# Altium PCB DriversBoard_Bigger.PcbDoc (continued)
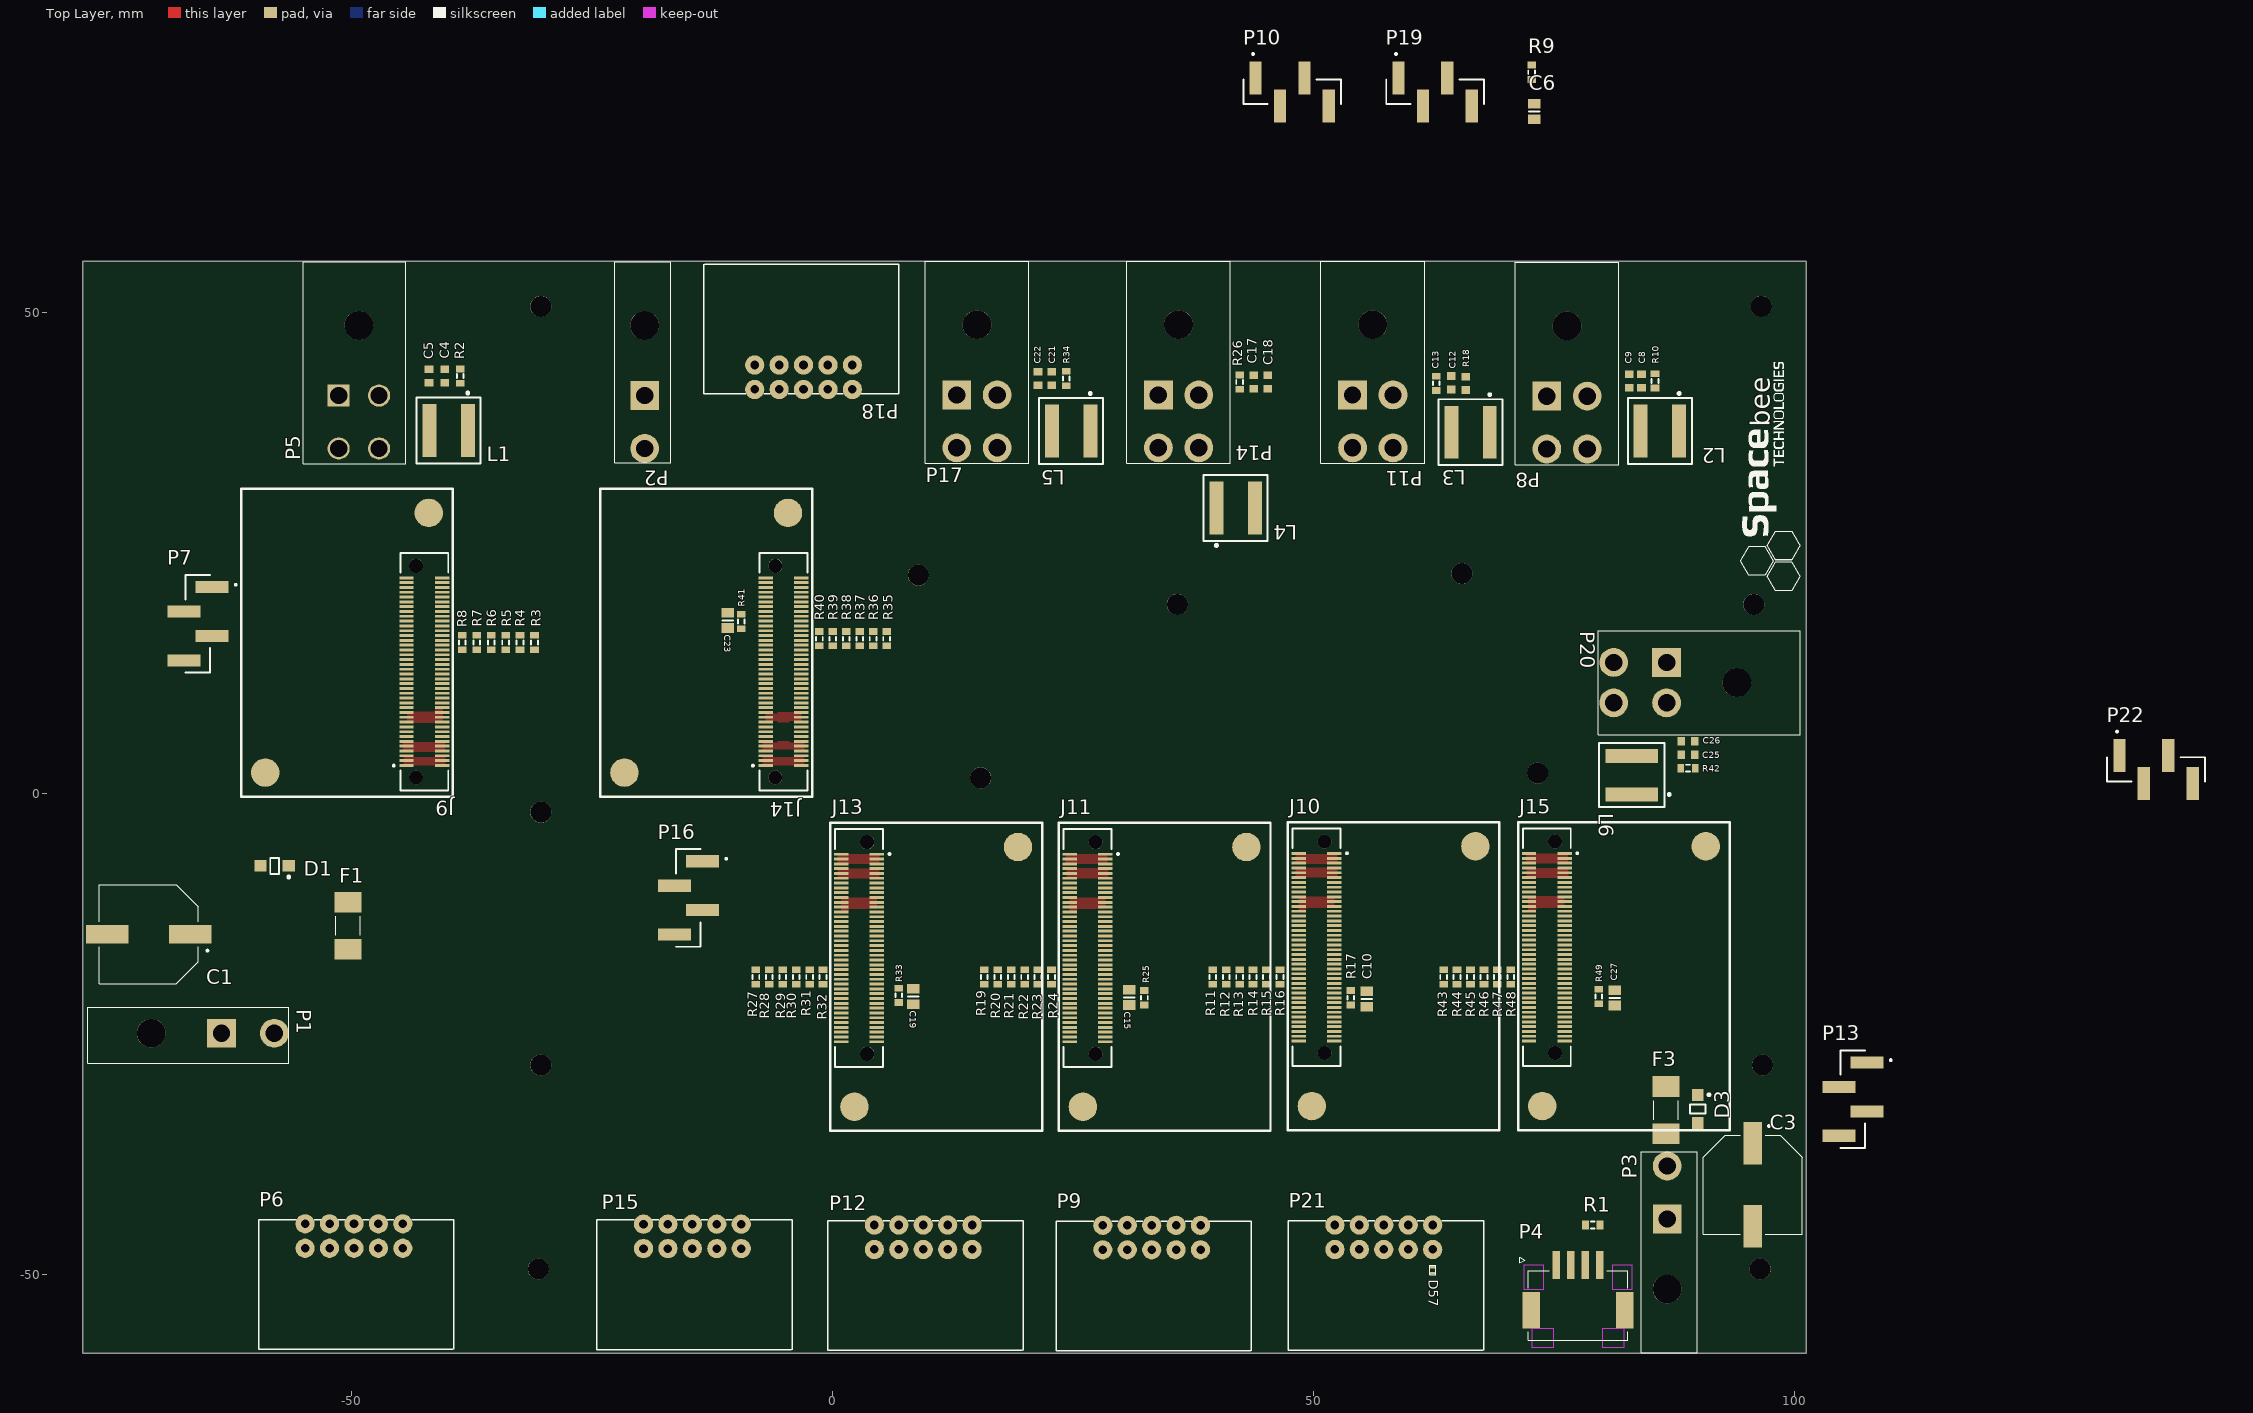
[diagram p0: Top Layer view]
## Footprints (in the part's own frame and the unit in brackets; to place one, negate y for a bottom-side part, rotate by r counter-clockwise, add the part's x,y. Pads: shape width x height; smd on the part's side, far side on the other; paste and mask are expansions set on the pad)
6-0805_L [mm] "Chip Resistor, Body 2.0x1.2mm, IPC High Density"
  rect 1x1.3 smd: 1(-0.8,0) 2(0.8,0)
  silkscreen extent 0,-0.55 0,0.55, body extent -1.07,-0.7 1.07,0.7, height 0.7
1608[0603] [mm] "Chip Capacitor, Body 1.6x0.8mm, IPC High Density"
  rect 0.8x0.9 smd: 1(-0.7,0) 2(0.7,0)
  body extent -0.87,-0.48 0.87,0.48, height 1.3
CAP_50SVT68M [mm]
  rect 4.4x1.9 smd: 1(-4.318,0) 2(4.318,0)
  silkscreen extent -6.2,-5.15 5.15,5.15, body extent -5.37,-5.02 5.63,5.28, height 12.57
CONN_HIF3FC-14PA-2.54DS(71)_HIR [mm]
  round 2 hole 0.889 mask+0: 1(0,0) 2(0,-2.54) 3(-2.54,0) 4(-2.54,-2.54) 5(-5.08,0) 6(-5.08,-2.54) 7(-7.62,0) 8(-7.62,-2.54) 9(-10.16,0) 10(-10.16,-2.54)
  silkscreen extent -15,-13.04 5.3,0.45, body extent -15.2,-12.7 5,0.27, height 8.75
FUSC6125X279N [mm]
  rect 2.15x2.8 smd: 1(-2.455,0) 2(2.455,0)
  silkscreen extent -1,-1.27 1,1.27, body extent -3.05,-1.27 3.05,1.27, height 2.79
"Header 4 SMD" [mm]
  rect 1.27x3.43 smd: 1(3.81,-1.46) 2(1.27,1.46) 3(-1.27,-1.46) 4(-3.81,1.46)
  silkscreen extent -5.08,-4.04 5.08,1.27, body extent -5.08,-2.64 5.08,2.64, height 9.68
J1-0603 [mm] "Chip Resistor, Body 1.6x0.8mm, IPC High Density"
  rect 0.7x0.9 smd: 1(-0.75,0) 2(0.75,0)
  silkscreen extent -0.2,-0.35 0.2,0.35, body extent -0.85,-0.48 0.85,0.48, height 0.9
MOLEX_1724480002 [mm]
  rect 3x3 hole 1.8 mask+0.076: 1(0,0)
  round 3 hole 1.8 mask+0.076: 2(0,5.5)
  round 3 hole 3 unplated mask+0.076: ""(0,-7.3)
  silkscreen extent -2.7,-13.9 3.1,6.98, body extent -2.75,-13.9 3.05,6.03, height 11.4
MOLEX_1724480004#1 [mm]
  rect 2.3x2.3 hole 1.8 mask+0.076: 1(0,0)
  round 2.3 hole 1.8 mask+0.076: 2(-4.2,0) 3(0,5.5) 4(-4.2,5.5)
  round 3 hole 3 unplated: ""(-2.1,-7.3)
  silkscreen extent -6.99,-13.9 3.68,7.11, body extent -7.62,-13.9 3.69,6.04, height 11.58
MOLEX_1724480004#2 [mm]
  rect 3x3 hole 1.8 mask+0.076: 1(0,0)
  round 3 hole 1.8 mask+0.076: 2(-4.2,0) 3(0,5.5) 4(-4.2,5.5)
  round 3 hole 3 unplated: ""(-2.1,-7.3)
  silkscreen extent -7.49,-13.9 3.3,7.11, body extent -7.49,-13.9 3.31,6.03, height 11.4
MOLEX_5025850470 [mm]
  rect 0.8x2.9 smd mask+0.076: 1(-2.25,3.6) 2(-0.75,3.6) 3(0.75,3.6) 4(2.25,3.6)
  rect 1.8x3.8 smd mask+0.076: S1(-4.85,-1.1) S1(4.85,-1.1)
  Keep-Out Layer region: 4.75,-5 2.55,-5 2.55,-3 4.75,-3
  Keep-Out Layer region: 5.6,1 3.6,1 3.6,3.6 5.6,3.6
  Keep-Out Layer region: -2.55,-5 -4.75,-5 -4.75,-3 -2.55,-3
  Keep-Out Layer region: -3.6,1 -5.6,1 -5.6,3.6 -3.6,3.6
  silkscreen extent -6.05,-4.25 5.15,4.4, body extent -5.15,-3.94 5.15,4.56, height 6.38
ONSC-SOD-123FL-2-498_V [mm] "SOD, 2-Leads, Body 2.7x1.65mm"
  rect 1.25x1.22 smd: 1(-1.475,0) 2(1.475,0)
  silkscreen extent -1.6,-0.82 0.45,1.28, body extent -1.35,-0.82 1.35,0.82, height 0.98
SAMTEC_LSHM-140-02.5-L-DV-A-N-K-TR [mm]
  rect 0.3x1.5 smd: 01(26.25,-2.323) 02(26.25,1.377) 03(25.75,-2.323) 04(25.75,1.377) 05(25.25,-2.323) 06(25.25,1.377) 07(24.75,-2.323) 08(24.75,1.377) 09(24.25,-2.323) 10(24.25,1.377) 11(23.75,-2.323) 12(23.75,1.377) 13(23.25,-2.323) 14(23.25,1.377) 15(22.75,-2.323) 16(22.75,1.377) 17(22.25,-2.323) 18(22.25,1.377) 19(21.75,-2.323) 20(21.75,1.377) 21(21.25,-2.323) 22(21.25,1.377) 23(20.75,-2.323) 24(20.75,1.377) 25(20.25,-2.323) 26(20.25,1.377) 27(19.75,-2.323) 28(19.75,1.377) 29(19.25,-2.323) 30(19.25,1.377) 31(18.75,-2.323) 32(18.75,1.377) 33(18.25,-2.323) 34(18.25,1.377) 35(17.75,-2.323) 36(17.75,1.377) 37(17.25,-2.323) 38(17.25,1.377) 39(16.75,-2.323) 40(16.75,1.377) 41(16.25,-2.323) 42(16.25,1.377) 43(15.75,-2.323) 44(15.75,1.377) 45(15.25,-2.323) 46(15.25,1.377) 47(14.75,-2.323) 48(14.75,1.377) 49(14.25,-2.323) 50(14.25,1.377) 51(13.75,-2.323) 52(13.75,1.377) 53(13.25,-2.323) 54(13.25,1.377) 55(12.75,-2.323) 56(12.75,1.377) 57(12.25,-2.323) 58(12.25,1.377) 59(11.75,-2.323) 60(11.75,1.377) 61(11.25,-2.323) 62(11.25,1.377) 63(10.75,-2.323) 64(10.75,1.377) 65(10.25,-2.323) 66(10.25,1.377) 67(9.75,-2.323) 68(9.75,1.377) 69(9.25,-2.323) 70(9.25,1.377) 71(8.75,-2.323) 72(8.75,1.377) 73(8.25,-2.323) 74(8.25,1.377) 75(7.75,-2.323) 76(7.75,1.377) 77(7.25,-2.323) 78(7.25,1.377) 79(6.75,-2.323) 80(6.75,1.377)
  round 2.96 smd: 2(0,0) 2(27,-17)
  round 1.45 hole 1.45 unplated: ""(5.5,-1.323) ""(27.5,-1.323)
  silkscreen extent -2.5,-19.5 29.5,2.5, body extent -2.5,-19.5 29.5,2.5, height 7.45
SOD993B#1 [mm]
  rect 0.51x0.26 smd paste+0 mask+0.01: 1(0,0.325) 2(0,-0.325)
  silkscreen extent -0.3,-0.51 0.3,0.5, body extent -0.3,-0.5 0.3,0.5, height 0.28
SOD993B#2 [mm] "TVS DUAL"
  rect 0.51x0.26 smd paste-2539.97 mask+0.01: 1(0,0.325) 2(0,-0.325)
  silkscreen extent -0.3,-0.51 0.3,0.5, body extent -0.3,-0.51 0.3,0.49, height 0.28
WE-XHMA_6060 [mm]
  rect 5.5x1.45 smd: 1(0,2) 2(0,-2)
  silkscreen extent -4.02,-3.32 3.42,3.32, body extent -3.32,-3.22 3.33,3.23, height 5.8

## Part data
C1 C3: library part 50SVT68M, Package=None, Availability=Unavailable, MP=50SVT68M, Price=None
C4 C5 C8 C9 C12 C13 C17 C18 C21 C22 C25 C26: "Capacitor (Semiconductor SIM Model)", LatestRevisionDate=29-May-2009, LatestRevisionNote="IPC-7351 Footprint Added.", PackageDescription="Chip Capacitor", PackageReference=C1206, Published=8-Jun-2000, Publisher="Altium Limited"
C6 C10 C15 C19 C23 C27: library part "Cap 0805", "Capacitor (Semiconductor SIM Model)", LatestRevisionDate=29-May-2009, LatestRevisionNote="IPC-7351 Footprint Added.", PackageDescription="Chip Capacitor", PackageReference=C1206, Published=8-Jun-2000, Publisher="Altium Limited"
D1 D3: library part SMF30AT1G, "200 W Transient Voltage Suppressor, 2-Pin SOD-123FL, Pb-Free, Tape and Reel", Manufacturer="On Semiconductor", Supplier Part Number 1=SMF30AT1GOSTR-ND, ComponentLink1Description="Manufacturer URL", ComponentLink1URL=http://www.onsemi.com/, ComponentLink2Description=Datasheet, ComponentLink2URL=http://www.onsemi.com/pub_link/Collateral/SMF5.0AT1-D.PDF, ComponentLink3Description="Package Specification", ComponentLink3URL=http://www.onsemi.com/pub_link/Collateral/498-01.PDF, DatasheetVersion="Rev. 7", Direction=Unidirectional, IR Max (uA)=1, Mounting Technology="Surface Mount", PackageDescription="2-Pin SOD, Body 1.65 x 2.7 mm", PackageReference=SOD-123FL-2-498, PackageVersion="Rev. D, 05/2013", Packing="Tape and Reel", PartNumber=SMF30AT1G, RoHS=Pb-Free, Supplier 1=Digi-Key, Supplier 2=Digi-Key, Supplier 3=Digi-Key, Supplier 4=Farnell, Supplier 5=Newark, Supplier 6=Newark, Supplier 7=Mouser, Supplier Part Number 2=SMF30AT1GOSCT-ND, Supplier Part Number 3=SMF30AT1GOSDKR-ND, Supplier Part Number 4=2317489, Supplier Part Number 5=09R9720, Supplier Part Number 6=42K2628, Supplier Part Number 7=863-SMF30AT1G, V(BR) Typ (V)=35.1
D5 D6 D7 D8 D9 D10 D11 D12 D14 D15 D16 D17 D18 D19 D20 D21 D23 D24 D25 D26 D27 D28 D29 D30 D32 D33 D34 D35 D36 D37 D38 D39 D41 D42 D43 D44 D45 D46 D47 D48 D50 D51 D52 D53 D54 D55 D56 D57: Manufacturer="On Semiconductor", PartNumber=1SMB16CAT3, Supplier Part Number 1=1SMB16CAT3OSTR-ND, ComponentLink1Description="Manufacturer URL", ComponentLink1URL=http://www.onsemi.com/, ComponentLink2Description=Datasheet, ComponentLink2URL=http://www.onsemi.com/pub_link/Collateral/1SMB10CAT3-D.PDF, ComponentLink3Description="Package Specification", ComponentLink3URL=http://www.onsemi.com/pub_link/Collateral/1SMB10CAT3-D.PDF, DatasheetVersion="Rev. A", Direction=Bidirectional, IR Max (uA)=5, Mounting Technology="Surface Mount", PackageDescription="2-Pin Small Molded Package, J-Bend Lead, Body 4.315 x 3.555 mm", PackageReference=SMB-2-403C-01, PackageVersion="Rev. A, 01/2000", Packing="Tape and Reel", PPK Max (W)=600, Supplier 1=Digi-Key, Supplier 2=Digi-Key, Supplier 3=Digi-Key, Supplier Part Number 2=1SMB16CAT3OSCT-ND, Supplier Part Number 3=1SMB16CAT3OSDKR-ND, V(BR) Typ (V)=18.74
F1 F3: "Surface mount bricks", Package="SMD-2 Bel Fuse Inc.", Availability="In Stock", Check_prices=https://www.snapeda.com/parts/0680L4000-05/Bel+Fuse/view-part/?ref=eda, MF="Bel Fuse", MP=0680L4000-05, Price=None, Purchase-URL=https://pricing.snapeda.com/search/part/0680L4000-05/?ref=eda, SnapEDA_Link=https://www.snapeda.com/parts/0680L4000-05/Bel+Fuse/view-part/?ref=snap
J9 J10 J11 J13 J14 J15: "LSHM - Samtec 0.50mm Razor Beam High-Speed Hermaphroditic Terminal / Socket Strip.", Package=None, Availability=Unavailable, MP=LSHM-140-02.5-L-DV-A-N-K-TR, Price=None
L1 L2 L3 L4 L5 L6: library part 78439369068, "WE-XHMA SMD Power Inductor, size 1090, 6.8µH, 10.5A, 7.16mO", Case/Size Code=1090, DC Resistance=7.16mO, Inductance Tolerance=20%, Manufacturer="Wurth Elektronik", Operating Temperature Max=125°C, Operating Temperature Min=-40°C, Rated Current=10.5A, Saturation Current=23.25A, Self Resonant Frequency=16MHz, Category="Shielded Power Inductors", ComponentLink1Description="Website Link", ComponentLink1URL=https://www.we-online.com/redexpert/article/78439369068?ad, ComponentLink2Description="Datasheet Link", ComponentLink2URL=https://www.we-online.com/redexpert/spec/78439369068?ad, Height=8.8mm, Inductance=6.8µH, Length=11.6mm, Manufacturer Part Number=78439369068, Match Code=WE-XHMA, Mount="Surface Mount", Packaging="Tape and Reel", Width=10.5mm
P1 P2 P3: library part "Header 2", "Header, 2-Pin", LatestRevisionDate=17-Jul-2002, LatestRevisionNote="Re-released for DXP Platform.", Publisher="Altium Limited"
P4: library part "Header 5", "Header, 5-Pin", LatestRevisionDate=17-Jul-2002, LatestRevisionNote="Re-released for DXP Platform.", Publisher="Altium Limited"
P5 P8 P11 P14 P17 P20: library part "Header 2X2", "Header, 2-Pin, Dual row", LatestRevisionDate=17-Jul-2002, LatestRevisionNote="Re-released for DXP Platform.", Publisher="Altium Limited"
P6 P9 P12 P15 P18 P21: "Header, 5-Pin, Dual row", LatestRevisionDate=17-Jul-2002, LatestRevisionNote="Re-released for DXP Platform.", Publisher="Altium Limited"
P7 P10 P13 P16 P19 P22: library part "Header 4 SMD", "Header, 4-Pin", LatestRevisionDate=17-Jul-2002, LatestRevisionNote="Re-released for DXP Platform.", Publisher="Altium Limited"
R1 R2 R3 R4 R5 R6 R7 R8 R9 R10 R11 R12 R13 R14 R15 R16 R17 R18 R19 R20 R21 R22 R23 R24 R25 R26 R27 R28 R29 R30 R31 R32 R33 R34 R35 R36 R37 R38 R39 R40 R41 R42 R43 R44 R45 R46 R47 R48 R49: "Resistor", LatestRevisionDate=29-May-2009, LatestRevisionNote="IPC-7351 Footprint Added.", PackageDescription="Chip Resistor", PackageReference=J1-0603, Published=8-Jun-2000, Publisher="Altium Limited"

## Free pads (board coordinates)
  round 2.2 hole 2.2 unplated: H1(-30.353,50.673) H2(-30.353,-1.905) H3(8.89,22.733) H3(15.367,1.651) H3(35.814,19.685) H3(65.405,22.9) H3(73.279,2.159) H4(-30.607,-49.403) H4(-30.353,-28.194) H5(96.52,50.673) H6(95.758,19.685) H7(96.393,-49.403) H7(96.647,-28.194)

## Nets (pads, with @x,y where several pads share a name; then routed paths per layer and width w, separated by ;. In a path a pad name is that pad's centre, name@x,y a point inside that pad or via, vN(x,y) a via of type N, cw(c..) or ccw(c..) an arc to the next point about the centre after c; other vN are vias at no path point)
+5V_1: J11.39 P12.1
+5V_2: J13.39 P15.1
+5V_3: J9.39 P6.1
+5V_4: J14.39 P18.1
+5V_5: J10.39 P9.1
+5V_6: J15.39 P21.1
C_USB_DM_1: J11.59 P13.3
C_USB_DM_2: J13.59 P16.3
C_USB_DM_3: J9.59 P7.3
C_USB_DM_4: J14.59 P19.3
C_USB_DM_5: J10.59 P10.3
C_USB_DM_6: J15.59 P22.3
C_USB_DP_1: J11.61 P13.2
C_USB_DP_2: J13.61 P16.2
C_USB_DP_3: J9.61 P7.2
C_USB_DP_4: J14.61 P19.2
C_USB_DP_5: J10.61 P10.2
C_USB_DP_6: J15.61 P22.2
C_USB_VBUS_1: J11.60 P13.4
C_USB_VBUS_2: J13.60 P16.4
C_USB_VBUS_3: J9.60 P7.4
C_USB_VBUS_4: J14.60 P19.4
C_USB_VBUS_5: J10.60 P10.4
C_USB_VBUS_6: J15.60 P22.4
Ch_A\_1: D27.2 P12.10 R20.2
Ch_A\_2: D36.2 P15.10 R28.2
Ch_A\_3: D9.2 P6.10 R4.2
Ch_A\_4: D45.2 P18.10 R36.2
Ch_A\_5: D18.2 P9.10 R12.2
Ch_A\_6: D54.2 P21.10 R44.2
Ch_A_1: D28.2 P12.8 R19.2
Ch_A_2: D37.2 P15.8 R27.2
Ch_A_3: D10.2 P6.8 R3.2
Ch_A_4: D46.2 P18.8 R35.2
Ch_A_5: D19.2 P9.8 R11.2
Ch_A_6: D55.2 P21.8 R43.2
Ch_B\_1: D25.2 P12.7 R22.2
Ch_B\_2: D34.2 P15.7 R30.2
Ch_B\_3: D7.2 P6.7 R6.2
Ch_B\_4: D43.2 P18.7 R38.2
Ch_B\_5: D16.2 P9.7 R14.2
Ch_B\_6: D52.2 P21.7 R46.2
Ch_B_1: D26.2 P12.9 R21.2
Ch_B_2: D35.2 P15.9 R29.2
Ch_B_3: D8.2 P6.9 R5.2
Ch_B_4: D44.2 P18.9 R37.2
Ch_B_5: D17.2 P9.9 R13.2
Ch_B_6: D53.2 P21.9 R45.2
Ch_I\_1: D23.2 P12.3 R24.2
Ch_I\_2: D32.2 P15.3 R32.2
Ch_I\_3: D5.2 P6.3 R8.2
Ch_I\_4: D41.2 P18.3 R40.2
Ch_I\_5: D14.2 P9.3 R16.2
Ch_I\_6: D50.2 P21.3 R48.2
Ch_I_1: D24.2 P12.5 R23.2
Ch_I_2: D33.2 P15.5 R31.2
Ch_I_3: D6.2 P6.5 R7.2
Ch_I_4: D42.2 P18.5 R39.2
Ch_I_5: D15.2 P9.5 R15.2
Ch_I_6: D51.2 P21.5 R47.2
CLOCK_1: C15.2 D30.2 J11.55 P12.2 R25.2
CLOCK_2: C19.2 D39.2 J13.55 P15.2 R33.2
CLOCK_3: C6.2 D12.2 J9.55 P6.2 R9.2
CLOCK_4: C23.2 D48.2 J14.55 P18.2 R41.2
CLOCK_5: C10.2 D21.2 J10.55 P9.2 R17.2
CLOCK_6: C27.2 D57.2 J15.55 P21.2 R49.2
D_N: J9.80 J10.80 J11.80 J13.80 J14.80 J15.80 P4.3 R1.1
D_P: J9.79 J10.79 J11.79 J13.79 J14.79 J15.79 P4.4 R1.2
DATA_1: D29.2 J11.53 P12.4
DATA_2: D38.2 J13.53 P15.4
DATA_3: D11.2 J9.53 P6.4
DATA_4: D47.2 J14.53 P18.4
DATA_5: D20.2 J10.53 P9.4
DATA_6: D56.2 J15.53 P21.4
GND: C1.2 C3.2 C5.2 C6.1 C9.2 C10.1 C13.2 C15.1 C18.2 C19.1 C22.2 C23.1 C26.2 C27.1 D1.2 D3.2 D5.1 D6.1 D7.1 D8.1 D9.1 D10.1 D11.1 D12.1 D14.1 D15.1 D16.1 D17.1 D18.1 D19.1 D20.1 D21.1 D23.1 D24.1 D25.1 D26.1 D27.1 D28.1 D29.1 D30.1 D32.1 D33.1 D34.1 D35.1 D36.1 D37.1 D38.1 D39.1 D41.1 D42.1 D43.1 D44.1 D45.1 D46.1 D47.1 D48.1 D50.1 D51.1 D52.1 D53.1 D54.1 D55.1 D56.1 D57.1 J9.25 J9.27 J9.28 J9.29 J9.30 J9.31 J9.32 J9.57 J9.58 J9.63 J9.64 J9.72 J9.75 J9.76 J10.25 J10.27 J10.28 J10.29 J10.30 J10.31 J10.32 J10.57 J10.58 J10.63 J10.64 J10.72 J10.75 J10.76 J11.25 J11.27 J11.28 J11.29 J11.30 J11.31 J11.32 J11.57 J11.58 J11.63 J11.64 J11.72 J11.75 J11.76 J13.25 J13.27 J13.28 J13.29 J13.30 J13.31 J13.32 J13.57 J13.58 J13.63 J13.64 J13.72 J13.75 J13.76 J14.25 J14.27 J14.28 J14.29 J14.30 J14.31 J14.32 J14.57 J14.58 J14.63 J14.64 J14.72 J14.75 J14.76 J15.25 J15.27 J15.28 J15.29 J15.30 J15.31 J15.32 J15.57 J15.58 J15.63 J15.64 J15.72 J15.75 J15.76 P1.1 P2.1 P3.1 P4.1 P4.2 P4.S1 P5.1 P5.2 P6.6 P7.1 P8.1 P8.2 P9.6 P10.1 P11.1 P11.2 P12.6 P13.1 P14.1 P14.2 P15.6 P16.1 P17.1 P17.2 P18.6 P19.1 P20.1 P20.2 P21.6 P22.1 R2.2 R9.1 R10.2 R17.1 R18.2 R25.1 R26.2 R33.1 R34.2 R41.1 R42.2 R49.1
"Motor_1 (-M)_1": J11.07 J11.08 J11.09 J11.10 J11.11 J11.12 P11.3
"Motor_1 (-M)_2": J13.07 J13.08 J13.09 J13.10 J13.11 J13.12 P14.3
"Motor_1 (-M)_3": J9.07 J9.08 J9.09 J9.10 J9.11 J9.12 P5.3
"Motor_1 (-M)_4": J14.07 J14.08 J14.09 J14.10 J14.11 J14.12 P17.3
"Motor_1 (-M)_5": J10.07 J10.08 J10.09 J10.10 J10.11 J10.12 P8.3
"Motor_1 (-M)_6": J15.07 J15.08 J15.09 J15.10 J15.11 J15.12 P20.3
"Motor_1 (M+)_1": J11.01 J11.02 J11.03 J11.04 J11.05 J11.06 L3.1
"Motor_1 (M+)_2": J13.01 J13.02 J13.03 J13.04 J13.05 J13.06 L4.1
"Motor_1 (M+)_3": J9.01 J9.02 J9.03 J9.04 J9.05 J9.06 L1.1
"Motor_1 (M+)_4": J14.01 J14.02 J14.03 J14.04 J14.05 J14.06 L5.1
"Motor_1 (M+)_5": J10.01 J10.02 J10.03 J10.04 J10.05 J10.06 L2.1
"Motor_1 (M+)_6": J15.01 J15.02 J15.03 J15.04 J15.05 J15.06 L6.1
NetC4_1: C4.1 C5.1 L1.2 P5.4
NetC4_2: C4.2 R2.1
NetC8_1: C8.1 C9.1 L2.2 P8.4
NetC8_2: C8.2 R10.1
NetC12_1: C12.1 C13.1 L3.2 P11.4
NetC12_2: C12.2 R18.1
NetC17_1: C17.1 C18.1 L4.2 P14.4
NetC17_2: C17.2 R26.1
NetC21_1: C21.1 C22.1 L5.2 P17.4
NetC21_2: C21.2 R34.1
NetC25_1: C25.1 C26.1 L6.2 P20.4
NetC25_2: C25.2 R42.1
NetF1_1: F1.1 P1.2
NetF3_1: F3.1 P3.2
NetJ1_1: 
NetJ1_2: 
NetJ2_1: 
NetJ2_2: 
NetJ3_1: 
NetJ3_2: 
NetJ4_1: 
NetJ4_2: 
NetJ5_1: 
NetJ5_2: 
NetJ6_1: 
NetJ6_2: 
NetJ9_34: J9.34 R3.1
NetJ9_36: J9.36 R4.1
NetJ9_38: J9.38 R5.1
NetJ9_40: J9.40 R6.1
NetJ9_42: J9.42 R7.1
NetJ9_44: J9.44 R8.1
NetJ10_34: J10.34 R11.1
NetJ10_36: J10.36 R12.1
NetJ10_38: J10.38 R13.1
NetJ10_40: J10.40 R14.1
NetJ10_42: J10.42 R15.1
NetJ10_44: J10.44 R16.1
NetJ11_34: J11.34 R19.1
NetJ11_36: J11.36 R20.1
NetJ11_38: J11.38 R21.1
NetJ11_40: J11.40 R22.1
NetJ11_42: J11.42 R23.1
NetJ11_44: J11.44 R24.1
NetJ13_34: J13.34 R27.1
NetJ13_36: J13.36 R28.1
NetJ13_38: J13.38 R29.1
NetJ13_40: J13.40 R30.1
NetJ13_42: J13.42 R31.1
NetJ13_44: J13.44 R32.1
NetJ14_34: J14.34 R35.1
NetJ14_36: J14.36 R36.1
NetJ14_38: J14.38 R37.1
NetJ14_40: J14.40 R38.1
NetJ14_42: J14.42 R39.1
NetJ14_44: J14.44 R40.1
NetJ15_34: J15.34 R43.1
NetJ15_36: J15.36 R44.1
NetJ15_38: J15.38 R45.1
NetJ15_40: J15.40 R46.1
NetJ15_42: J15.42 R47.1
NetJ15_44: J15.44 R48.1
Shunt_Out1: 
Shunt_Out2: 
Shunt_Out3: 
Shunt_Out4: 
Shunt_Out5: 
Shunt_Out6: 
Supply1: C1.1 D1.1 F1.2 J11.19 J11.20 J11.21 J11.22 J11.23 J11.24 J11.26 J13.19 J13.20 J13.21 J13.22 J13.23 J13.24 J13.26
Supply2: J9.19 J9.20 J9.21 J9.22 J9.23 J9.24 J9.26 J14.19 J14.20 J14.21 J14.22 J14.23 J14.24 J14.26 P2.2
Supply3: C3.1 D3.1 F3.2 J10.19 J10.20 J10.21 J10.22 J10.23 J10.24 J10.26 J15.19 J15.20 J15.21 J15.22 J15.23 J15.24 J15.26
VCC_+5V: 
pads on no net: J9. J9.2 J9.13 J9.14 J9.15 J9.16 J9.17 J9.18 J9.33 J9.35 J9.37 J9.41 J9.43 J9.45 J9.46 J9.47 J9.48 J9.49 J9.50 J9.51 J9.52 J9.54 J9.56 J9.62 J9.65 J9.66 J9.67 J9.68 J9.69 J9.70 J9.71 J9.73 J9.74 J9.77 J9.78 J10. J10.2 J10.13 J10.14 J10.15 J10.16 J10.17 J10.18 J10.33 J10.35 J10.37 J10.41 J10.43 J10.45 J10.46 J10.47 J10.48 J10.49 J10.50 J10.51 J10.52 J10.54 J10.56 J10.62 J10.65 J10.66 J10.67 J10.68 J10.69 J10.70 J10.71 J10.73 J10.74 J10.77 J10.78 J11. J11.2 J11.13 J11.14 J11.15 J11.16 J11.17 J11.18 J11.33 J11.35 J11.37 J11.41 J11.43 J11.45 J11.46 J11.47 J11.48 J11.49 J11.50 J11.51 J11.52 J11.54 J11.56 J11.62 J11.65 J11.66 J11.67 J11.68 J11.69 J11.70 J11.71 J11.73 J11.74 J11.77 J11.78 J13. J13.2 J13.13 J13.14 J13.15 J13.16 J13.17 J13.18 J13.33 J13.35 J13.37 J13.41 J13.43 J13.45 J13.46 J13.47 J13.48 J13.49 J13.50 J13.51 J13.52 J13.54 J13.56 J13.62 J13.65 J13.66 J13.67 J13.68 J13.69 J13.70 J13.71 J13.73 J13.74 J13.77 J13.78 J14. J14.2 J14.13 J14.14 J14.15 J14.16 J14.17 J14.18 J14.33 J14.35 J14.37 J14.41 J14.43 J14.45 J14.46 J14.47 J14.48 J14.49 J14.50 J14.51 J14.52 J14.54 J14.56 J14.62 J14.65 J14.66 J14.67 J14.68 J14.69 J14.70 J14.71 J14.73 J14.74 J14.77 J14.78 J15. J15.2 J15.13 J15.14 J15.15 J15.16 J15.17 J15.18 J15.33 J15.35 J15.37 J15.41 J15.43 J15.45 J15.46 J15.47 J15.48 J15.49 J15.50 J15.51 J15.52 J15.54 J15.56 J15.62 J15.65 J15.66 J15.67 J15.68 J15.69 J15.70 J15.71 J15.73 J15.74 J15.77 J15.78 P1. P2. P3. P5. P8. P11. P14. P17. P20.

## Polygon pours and split planes (outlines as drawn)
Supply2 on Top Layer "ss" (solid, pour order 38): -40.568,7.391 -40.568,8.891 -41.309,8.891 -41.347,8.929 -41.347,8.675 -43.984,8.675 -44.268,8.391 -44.268,7.391
"Motor_1 (-M)_3" on Top Layer "MOTOR_1_(-M)_3_L01_P034" (solid, pour order 34): -44.653,5.385 -40.335,5.385 -40.335,4.369 -44.653,4.369
"Motor_1 (M+)_3" on Top Layer "MOTOR_1_(M+)_3_L01_P028" (solid, pour order 28): -44.632,2.954 -40.314,2.954 -40.314,3.954 -44.632,3.954
Supply2 on Top Layer "SUPPLY2_L01_P022" (solid, pour order 22): -6.985,8.454 -3.285,8.454 -3.285,7.454 -6.985,7.454
"Motor_1 (-M)_4" on Top Layer "s" (solid, pour order 21): -7.294,4.454 -2.976,4.454 -2.976,5.454 -7.294,5.454
"Motor_1 (M+)_4" on Top Layer "MOTOR_1_(M+)_4_L01_P020" (solid, pour order 20): -7.294,2.954 -2.976,2.954 -2.976,3.954 -7.294,3.954
"Motor_1 (M+)_6" on Top Layer "" (solid, pour order 16): 72.064,-7.211 76.382,-7.211 76.382,-6.211 72.064,-6.211
"Motor_1 (-M)_6" on Top Layer "" (solid, pour order 15): 72.128,-8.722 76.446,-8.722 76.446,-7.722 72.128,-7.722
Supply3 on Top Layer "" (solid, pour order 14): 72.318,-10.676 72.318,-12.176 73.059,-12.176 73.097,-12.214 73.097,-11.96 75.734,-11.96 76.018,-11.676 76.018,-10.676
Supply3 on Top Layer "" (solid, pour order 12): 48.425,-10.711 48.425,-12.211 49.166,-12.211 49.204,-12.249 49.204,-11.995 51.841,-11.995 52.125,-11.711 52.125,-10.711
"Motor_1 (-M)_5" on Top Layer "" (solid, pour order 11): 48.108,-8.678 52.426,-8.678 52.426,-7.678 48.108,-7.678
"Motor_1 (M+)_5" on Top Layer "s" (solid, pour order 10): 48.108,-7.281 52.426,-7.281 52.426,-6.281 48.108,-6.281
"Motor_1 (M+)_1" on Top Layer "MOTOR_1_(M+)_1_L01_P009" (solid, pour order 9): 24.232,-7.281 28.55,-7.281 28.55,-6.281 24.232,-6.281
"Motor_1 (-M)_1" on Top Layer "MOTOR_1_(-M)_1_L01_P008" (solid, pour order 8): 24.329,-7.755 28.647,-7.755 28.647,-8.755 24.329,-8.755
Supply1 on Top Layer "" (solid, pour order 7): 24.621,-10.781 24.621,-12.281 25.362,-12.281 25.4,-12.319 25.4,-12.065 28.037,-12.065 28.321,-11.781 28.321,-10.781
Supply1 on Top Layer "ss" (solid, pour order 6): 0.872,-10.781 0.872,-12.281 1.613,-12.281 1.651,-12.319 1.651,-12.065 4.288,-12.065 4.572,-11.781 4.572,-10.781
"Motor_1 (-M)_2" on Top Layer "MOTOR_1_(-M)_2_L01_P005" (solid, pour order 5): 0.508,-7.781 4.826,-7.781 4.826,-8.781 0.508,-8.781
"Motor_1 (M+)_2" on Top Layer "MOTOR_1_(M+)_2_L01_P004" (solid, pour order 4): 0.508,-7.281 4.826,-7.281 4.826,-6.281 0.508,-6.281

## Other copper
Top Layer:
  pour cut-out: -56.388,-43.653 -52.324,-39.589 -52.07,-39.843 -36.195,-39.843 -36.195,-46.193 -36.068,-46.32 -53.213,-46.32 -53.213,-47.971 -52.705,-48.479 -53.213,-48.987 -56.134,-48.987 -56.134,-47.209 -56.896,-46.447 -56.896,-43.907 -56.515,-43.526
  pour cut-out: 56.134,-24.861 56.134,-32.766 53.848,-35.052 47.251,-35.052 47.251,-24.861
  pour cut-out: 8.255,-25.019 8.255,-30.861 4.064,-35.052 -0.254,-35.052 -0.254,-25.019
  pour cut-out: 29.337,-25.019 29.591,-25.273 29.591,-32.385 26.924,-35.052 23.495,-35.052 23.495,-25.019
  pour cut-out: 77.089,-24.892 77.343,-25.146 77.343,-34.925 71.247,-34.925 71.247,-24.892
  pour cut-out: 7.747,-22.352 7.747,-32.639 9.271,-32.639 9.271,-22.352
  pour cut-out: 29.487,-22.622 26.924,-35.052 33.147,-35.052 33.147,-22.622
  pour cut-out: 33.782,-20.955 34.417,-20.955 34.417,-32.639 33.909,-32.639 33.909,-21.082
  pour cut-out: 57.277,-20.701 58.674,-22.098 58.674,-32.512 41.783,-49.403 36.703,-49.403 36.068,-48.768 37.084,-47.752 37.084,-45.466 44.45,-45.466 57.277,-32.639 57.277,-30.734
  pour cut-out: 53.34,-22.352 56.388,-22.352 56.388,-32.512 53.34,-32.512
  pour cut-out: 5.842,-22.352 8.255,-22.352 8.255,-25.019 5.461,-25.019 5.334,-24.892 5.842,-24.384
  pour cut-out: -2.159,21.59 -11.43,21.59 -11.557,21.717 -11.557,42.672 -11.938,42.672 -12.827,43.561 -10.745,45.643 -4.522,45.643 -4.522,44.327 -3.625,43.43 -3.62,43.434 -0.127,43.434 2.413,45.974 2.46,45.927 4.563,45.927 5.588,44.902 5.588,13.97 -1.651,13.97 -2.159,14.478
  pour cut-out: -21.209,-43.688 -17.145,-39.624 -16.891,-39.878 -1.016,-39.878 -1.016,-46.228 -0.889,-46.355 -18.034,-46.355 -18.034,-48.006 -17.526,-48.514 -18.034,-49.022 -20.955,-49.022 -20.955,-47.244 -21.717,-46.482 -21.717,-43.942 -21.336,-43.561
  pour cut-out: -11.557,-48.006 -11.303,-47.752 -6.223,-47.752 -6.223,-48.26 -6.858,-48.895 -11.43,-48.895 -11.43,-47.879 -11.557,-47.752
  pour cut-out: 2.746,-43.712 6.81,-39.648 7.064,-39.902 22.939,-39.902 22.939,-46.252 23.066,-46.379 5.921,-46.379 5.921,-48.03 6.429,-48.538 5.921,-49.046 3,-49.046 3,-47.268 2.238,-46.506 2.238,-43.966 2.619,-43.585
  pour cut-out: 26.495,-43.747 30.559,-39.683 30.813,-39.937 46.688,-39.937 46.688,-46.287 46.815,-46.414 29.67,-46.414 29.67,-48.065 30.178,-48.573 29.67,-49.081 26.749,-49.081 26.749,-47.303 25.987,-46.541 25.987,-44.001 26.368,-43.62
  pour cut-out: 50.625,-43.712 54.689,-39.648 54.943,-39.902 70.818,-39.902 70.818,-46.252 70.945,-46.379 53.8,-46.379 53.8,-48.03 54.308,-48.538 53.8,-49.046 50.879,-49.046 50.879,-47.268 50.117,-46.506 50.117,-43.966 50.498,-43.585
  pour cut-out: 11.765,-47.163 12.573,-46.355 18.923,-46.355 18.923,-47.879 17.145,-49.657 12.573,-49.657 12.573,-47.971
  pour cut-out: 59.644,-47.163 60.452,-46.355 66.802,-46.355 66.802,-47.879 65.024,-49.657 60.452,-49.657 60.452,-47.971
  pour cut-out: 77.343,-32.131 77.343,-50.905 77.321,-50.927 80.899,-50.927 80.899,-30.87 77.343,-28.097
Bottom Layer:
  pour cut-out: -56.388,-49.114 -50.927,-49.114 -50.927,-46.193 -48.641,-46.193 -48.641,-49.114 -42.799,-49.114 -42.799,-42.637 -56.388,-42.637
  pour cut-out: -10.16,46.863 -4.064,46.863 -4.064,43.434 -1.905,43.434 -1.905,46.863 3.81,46.863 3.81,39.37 -10.16,39.37
  pour cut-out: -21.209,-49.149 -15.748,-49.149 -15.748,-46.228 -13.462,-46.228 -13.462,-49.149 -7.62,-49.149 -7.62,-42.672 -21.209,-42.672
  pour cut-out: 2.794,-49.241 8.255,-49.241 8.255,-46.32 10.541,-46.32 10.541,-49.241 16.383,-49.241 16.383,-42.764 2.794,-42.764
  pour cut-out: 26.543,-49.276 32.004,-49.276 32.004,-46.355 34.29,-46.355 34.29,-49.276 40.132,-49.276 40.132,-42.799 26.543,-42.799
  pour cut-out: 50.673,-49.241 56.134,-49.241 56.134,-46.32 58.42,-46.32 58.42,-49.241 64.262,-49.241 64.262,-42.764 50.673,-42.764

## Silkscreen, mask and mechanical layers (free items; w line width, h text height)
Top Overlay:
  drawing of 20 lines, arcs and shapes, not listed
  text "bee" at 97.381,38.161 h2 r90

## Dimensions
101.219,55.372 to -77.978,55.372 on Mechanical 5